# KiCad board FrontEnd_5G.kicad_pcb (continued)
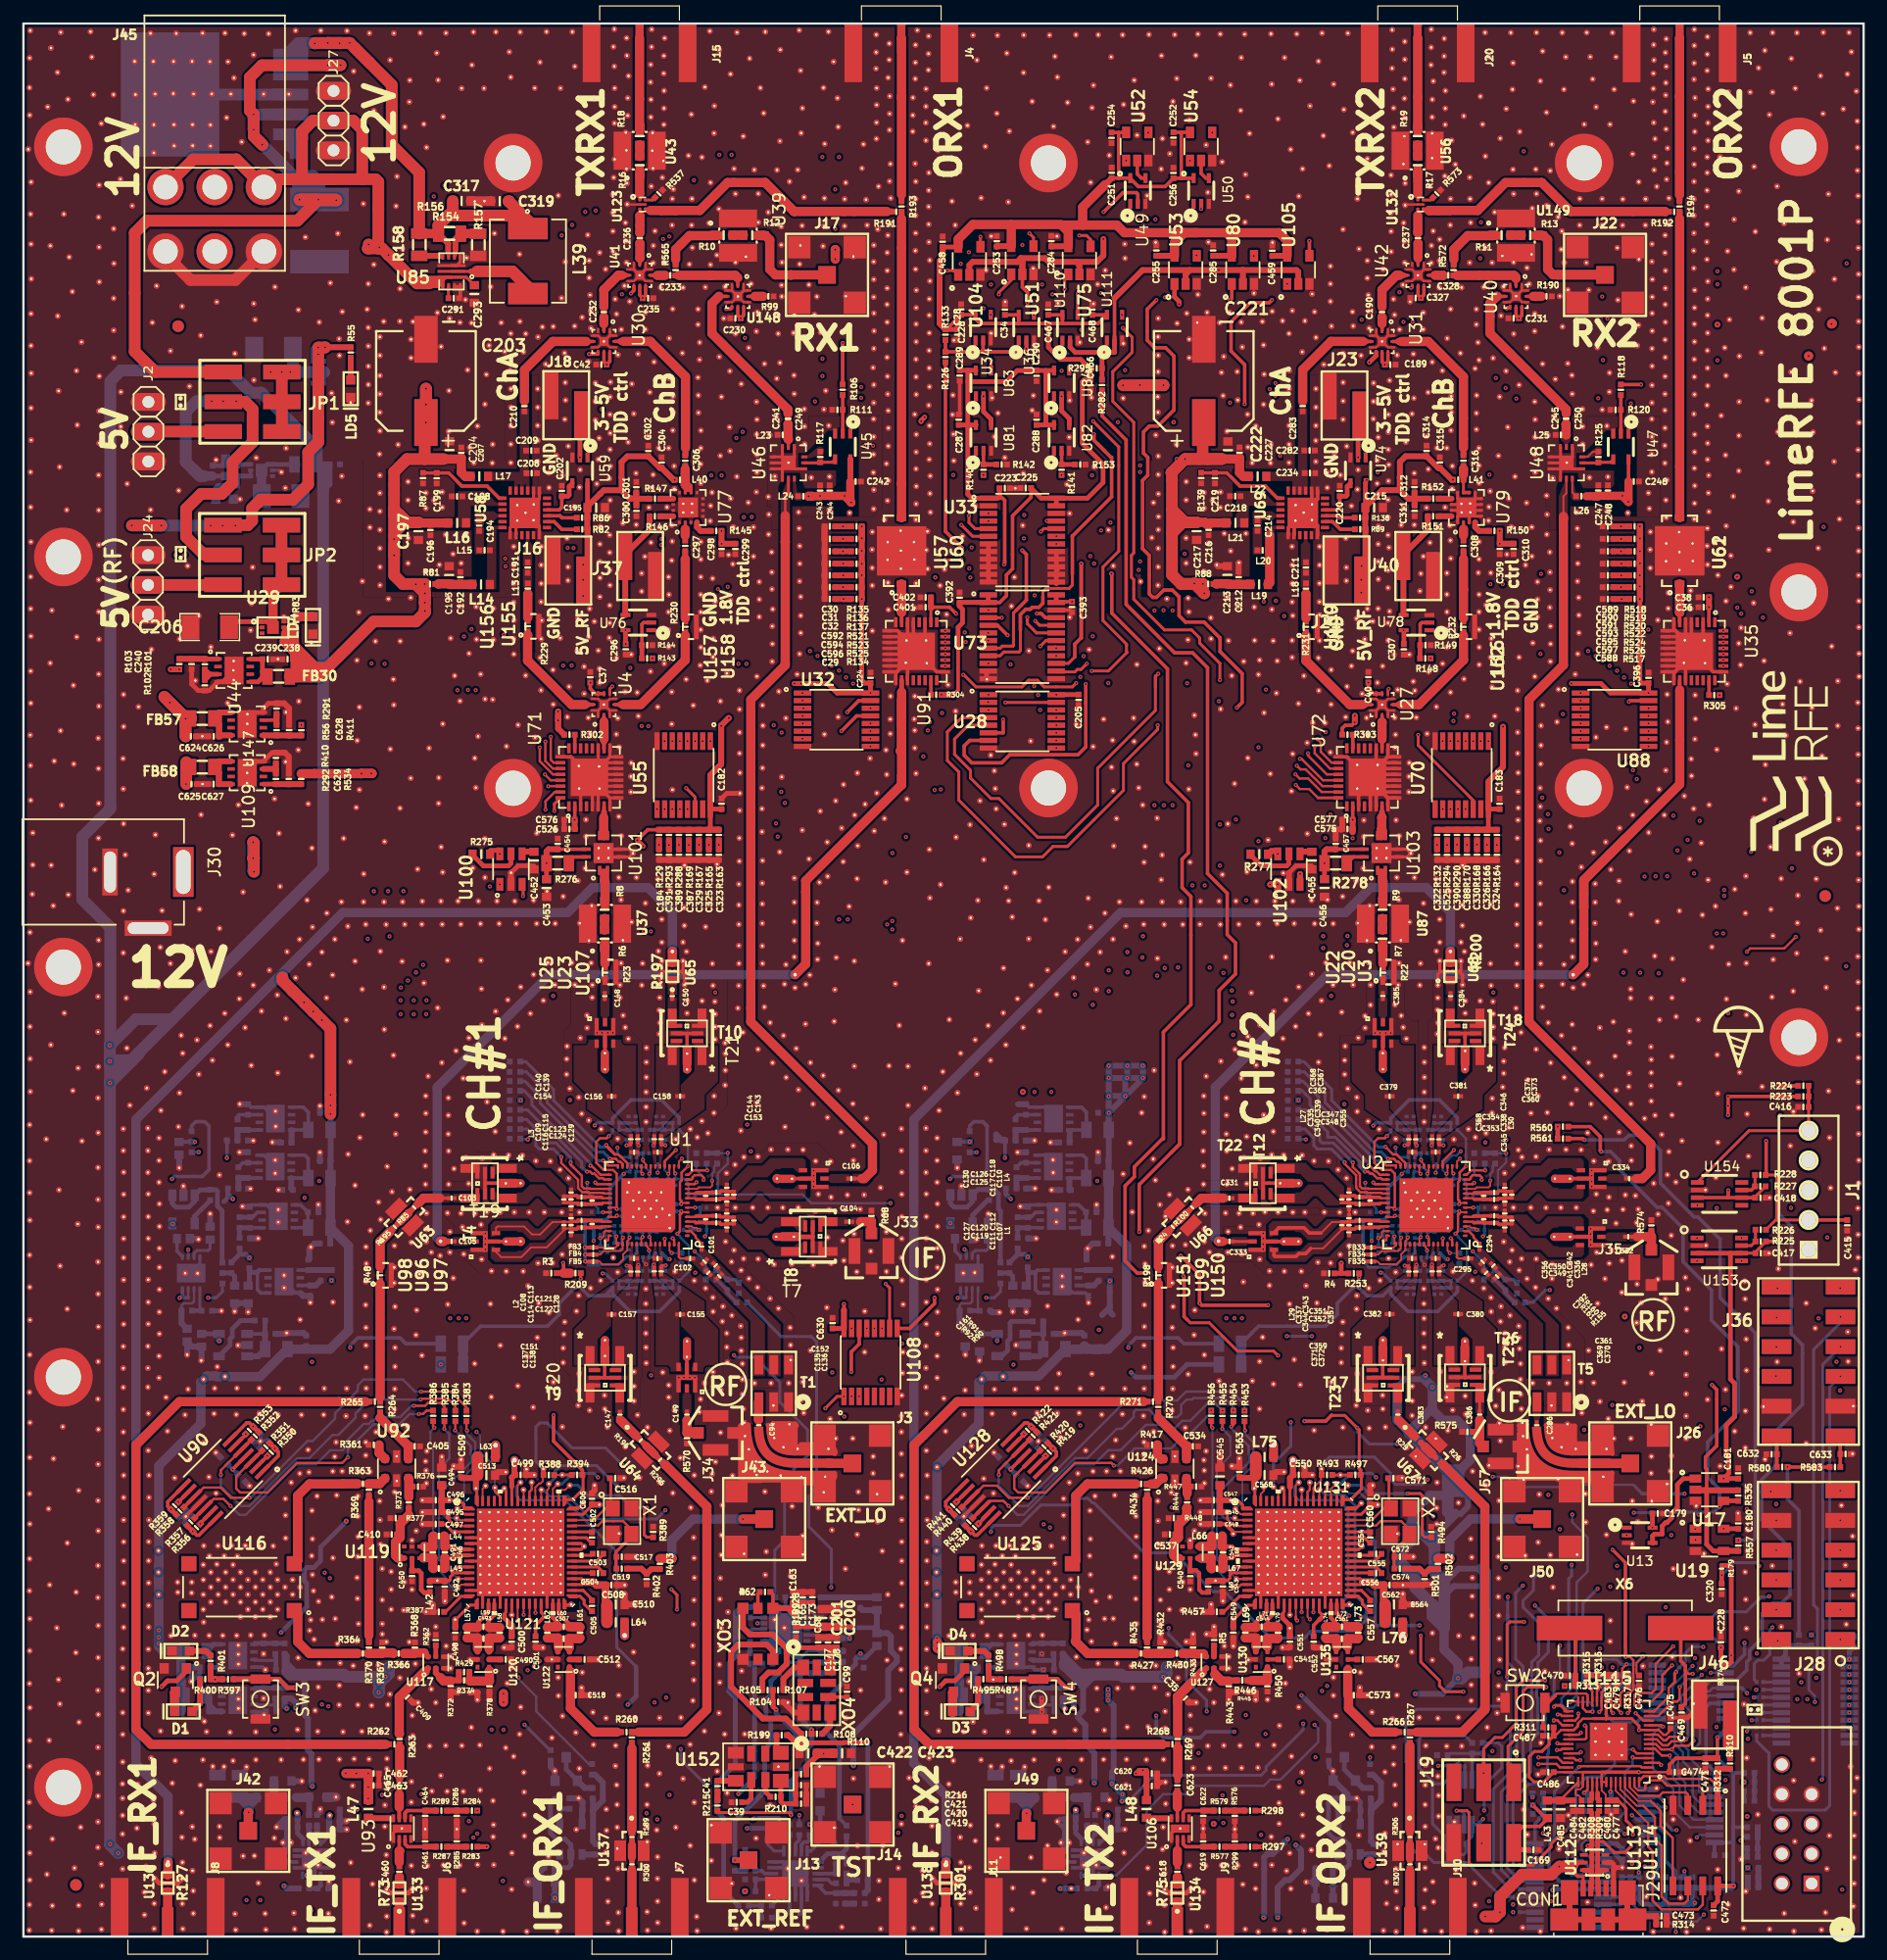
[diagram p0: board, top side]
## Nets (continued)
Ref**#1135. Ref**#1136. Ref**#1137. Ref**#1138. Ref**#1139. Ref**#1140. Ref**#1141. Ref**#1142. Ref**#1143. Ref**#1144. Ref**#1145. Ref**#1146. Ref**#1147. Ref**#1148. Ref**#1149. Ref**#1150. Ref**#1151. Ref**#1152. Ref**#1153. Ref**#1154. Ref**#1155. Ref**#1156. Ref**#1157. Ref**#1158. Ref**#1159. Ref**#1160. Ref**#1161. Ref**#1162. Ref**#1163. Ref**#1164. Ref**#1165. Ref**#1166. Ref**#1167. Ref**#1168. Ref**#1169. Ref**#1170. Ref**#1171. Ref**#1172. Ref**#1173. Ref**#1174. Ref**#1175. Ref**#1176. Ref**#1177. Ref**#1178. Ref**#1179. Ref**#1180. Ref**#1181. Ref**#1182. Ref**#1183. Ref**#1184. Ref**#1185. Ref**#1186. Ref**#1189. Ref**#1190. Ref**#1191. Ref**#1192. Ref**#1193. Ref**#1194. Ref**#1195. Ref**#1196. Ref**#1197. Ref**#1198. Ref**#1199. Ref**#1200. Ref**#1201. Ref**#1208. Ref**#1209. Ref**#1210. Ref**#1211. Ref**#1212. Ref**#1213. Ref**#1214. Ref**#1215. Ref**#1216. Ref**#1217. Ref**#1218. Ref**#1219. Ref**#1220. Ref**#1221. Ref**#1222. Ref**#1223. Ref**#1224. Ref**#1225. Ref**#1226. Ref**#1227. Ref**#1228. Ref**#1229. Ref**#1230. Ref**#1231. Ref**#1235. Ref**#1236. Ref**#1237. Ref**#1238. Ref**#1239. Ref**#1240. Ref**#1241. Ref**#1242. Ref**#1243. Ref**#1244. Ref**#1245. Ref**#1246. Ref**#1247. Ref**#1248. Ref**#1249. Ref**#1250. Ref**#1251. Ref**#1252. Ref**#1253. Ref**#1254. Ref**#1255. Ref**#1256. Ref**#1257. Ref**#1258. Ref**#1259. Ref**#1260. Ref**#1261. Ref**#1262. Ref**#1263. Ref**#1264. Ref**#1265. Ref**#1266. Ref**#1267. Ref**#1268. Ref**#1269. Ref**#1270. Ref**#1271. Ref**#1272. Ref**#1273. Ref**#1274. Ref**#1275. Ref**#1276. Ref**#1277. Ref**#1278. Ref**#1279. Ref**#1280. Ref**#1281. Ref**#1282. Ref**#1283. Ref**#1284. Ref**#1285. Ref**#1286. Ref**#1287. Ref**#1288. Ref**#1289. Ref**#1290. Ref**#1291. Ref**#1292. Ref**#1293. Ref**#1294. Ref**#1295. Ref**#1296. Ref**#1297. Ref**#1298. Ref**#1299. Ref**#1300. Ref**#1301. Ref**#1302. Ref**#1303. Ref**#1304. Ref**#1305. Ref**#1306. Ref**#1307. Ref**#1308. Ref**#1309. Ref**#1310. Ref**#1311. Ref**#1312. Ref**#1313. Ref**#1314. Ref**#1315. Ref**#1316. Ref**#1317. Ref**#1318. Ref**#1319. Ref**#1320. Ref**#1321. Ref**#1322. Ref**#1323. Ref**#1324. Ref**#1325. Ref**#1326. Ref**#1327. Ref**#1328. Ref**#1329. Ref**#1330. Ref**#1331. Ref**#1332. Ref**#1333. Ref**#1334. Ref**#1335. Ref**#1336. Ref**#1337. Ref**#1338. Ref**#1339. Ref**#1340. Ref**#1341. Ref**#1342. Ref**#1343. Ref**#1344. Ref**#1345. Ref**#1346. Ref**#1347. Ref**#1348. Ref**#1349. Ref**#1350. Ref**#1351. Ref**#1352. Ref**#1353. Ref**#1354. Ref**#1355. Ref**#1356. Ref**#1357. Ref**#1358. Ref**#1359. Ref**#1360. Ref**#1361. Ref**#1362. Ref**#1363. Ref**#1364. Ref**#1365. Ref**#1366. Ref**#1367. Ref**#1368. Ref**#1369. Ref**#1370. Ref**#1371. Ref**#1372. Ref**#1373. Ref**#1374. Ref**#1375. Ref**#1376. Ref**#1377. Ref**#1378. Ref**#1379. Ref**#1380. Ref**#1381. Ref**#1382. Ref**#1383. Ref**#1384. Ref**#1385. Ref**#1386. Ref**#1387. Ref**#1388. Ref**#1389. Ref**#1390. Ref**#1391. Ref**#1392. Ref**#1393. Ref**#1394. Ref**#1395. Ref**#1396. Ref**#1397. Ref**#1398. Ref**#1399. Ref**#1400. Ref**#1401. Ref**#1402. Ref**#1403. Ref**#1404. Ref**#1405. Ref**#1406. Ref**#1407. Ref**#1408. Ref**#1409. Ref**#1410. Ref**#1411. Ref**#1412. Ref**#1413. Ref**#1414. Ref**#1415. Ref**#1416. Ref**#1417. Ref**#1419. Ref**#1420. Ref**#1421. Ref**#1422. Ref**#1423. Ref**#1424. Ref**#1425. Ref**#1426. Ref**#1427. Ref**#1428. Ref**#1429. Ref**#1430. Ref**#1431. Ref**#1432. Ref**#1433. Ref**#1434. Ref**#1435. Ref**#1436. Ref**#1437. Ref**#1438. Ref**#1439. Ref**#1440. Ref**#1441. Ref**#1442. Ref**#1443. Ref**#1444. Ref**#1445. Ref**#1446. Ref**#1447. Ref**#1448. Ref**#1449. Ref**#1450. Ref**#1451. Ref**#1452. Ref**#1453. Ref**#1454. Ref**#1455. Ref**#1456. Ref**#1457. Ref**#1458. Ref**#1459. Ref**#1460. Ref**#1461. Ref**#1462. Ref**#1463. Ref**#1464. Ref**#1465. Ref**#1466. Ref**#1467. Ref**#1468. Ref**#1469. Ref**#1470. Ref**#1471. Ref**#1472. Ref**#1473. Ref**#1474. Ref**#1475. Ref**#1476. Ref**#1477. Ref**#1478. Ref**#1479. Ref**#1480. Ref**#1481. Ref**#1482. Ref**#1483. Ref**#1484. Ref**#1485. Ref**#1486. Ref**#1487. Ref**#1488. Ref**#1489. Ref**#1490. Ref**#1491. Ref**#1492. Ref**#1493. Ref**#1494. Ref**#1495. Ref**#1496. Ref**#1497. Ref**#1498. Ref**#1499. Ref**#1500. Ref**#1501. Ref**#1502. Ref**#1503. Ref**#1504. Ref**#1505. Ref**#1506. Ref**#1507. Ref**#1508. Ref**#1509. Ref**#1510. Ref**#1511. Ref**#1512. Ref**#1515. Ref**#1516. Ref**#1517. Ref**#1518. Ref**#1519. Ref**#1520. Ref**#1521. Ref**#1522. Ref**#1523. Ref**#1524. Ref**#1525. Ref**#1526. Ref**#1527. Ref**#1528. Ref**#1529. Ref**#1530. Ref**#1531. Ref**#1532. Ref**#1533. Ref**#1534. Ref**#1535. Ref**#1536. Ref**#1537. Ref**#1538. Ref**#1539. Ref**#1540. Ref**#1541. Ref**#1542. Ref**#1543. Ref**#1544. Ref**#1545. Ref**#1546. Ref**#1547. Ref**#1548. Ref**#1549. Ref**#1550. Ref**#1551. Ref**#1552. Ref**#1553. Ref**#1554. Ref**#1555. Ref**#1556. Ref**#1557. Ref**#1558. Ref**#1559. Ref**#1560. Ref**#1561. Ref**#1562. Ref**#1563. Ref**#1564. Ref**#1565. Ref**#1566. Ref**#1567. Ref**#1568. Ref**#1569. Ref**#1570. Ref**#1571. Ref**#1572. Ref**#1573. Ref**#1574. Ref**#1575. Ref**#1576. Ref**#1577. Ref**#1578. Ref**#1579. Ref**#1580. Ref**#1581. Ref**#1582. Ref**#1583. Ref**#1584. Ref**#1585. Ref**#1586. Ref**#1587. Ref**#1588. Ref**#1589. Ref**#1590. Ref**#1591. Ref**#1592. Ref**#1593. Ref**#1594. Ref**#1595. Ref**#1596. Ref**#1597. Ref**#1598. Ref**#1599. Ref**#1600. Ref**#1601. Ref**#1602. Ref**#1603. Ref**#1604. Ref**#1605. Ref**#1606. Ref**#1607. Ref**#1608. Ref**#1609. Ref**#1610. Ref**#1611. Ref**#1612. Ref**#1613. Ref**#1614. Ref**#1615. Ref**#1616. Ref**#1617. Ref**#1618. Ref**#1619. Ref**#1620. Ref**#1621. Ref**#1622. Ref**#1623. Ref**#1624. Ref**#1625. Ref**#1626. Ref**#1627. Ref**#1628. Ref**#1631. Ref**#1632. Ref**#1633. Ref**#1634. Ref**#1635. Ref**#1636. Ref**#1637. Ref**#1638. Ref**#1641. Ref**#1642. Ref**#1643. Ref**#1644. Ref**#1645. Ref**#1646. Ref**#1648. Ref**#1649. Ref**#1652. Ref**#1653. Ref**#1654. Ref**#1655. Ref**#1656. Ref**#1661. Ref**#1662. Ref**#1663. Ref**#1668. Ref**#1669. Ref**#1670. Ref**#1671. Ref**#1672. Ref**#1683. Ref**#1684. Ref**#1685. Ref**#1686. Ref**#1692. Ref**#1693. Ref**#1694. Ref**#1699. Ref**#1700. Ref**#1701. Ref**#1702. Ref**#1703. Ref**#1713. Ref**#1714. Ref**#1715. Ref**#1716. Ref**#1717. Ref**#1721. Ref**#1722. Ref**#1723. Ref**#1726. Ref**#1736. Ref**#1737. Ref**#1739. Ref**#1740. Ref**#1742. Ref**#1743. Ref**#1744. Ref**#1745. Ref**#1746. Ref**#1747. Ref**#1748. Ref**#1749. Ref**#1750. Ref**#1751. Ref**#1752. Ref**#1753. Ref**#1754. Ref**#1755. Ref**#1756. Ref**#1757. Ref**#1758. Ref**#1759. Ref**#1760. Ref**#1761. Ref**#1762. Ref**#1763. Ref**#1764. Ref**#1765. Ref**#1766. Ref**#1767. Ref**#1768. Ref**#1769. Ref**#1770. Ref**#1771. Ref**#1772. Ref**#1773. Ref**#1774. Ref**#1775. Ref**#1776. Ref**#1777. Ref**#1778. Ref**#1779. Ref**#1780. Ref**#1781. Ref**#1782. Ref**#1783. Ref**#1784. Ref**#1785. Ref**#1786. Ref**#1787. Ref**#1788. Ref**#1789. Ref**#1790. Ref**#1791. Ref**#1792. Ref**#1793. Ref**#1794. Ref**#1795. Ref**#1796. Ref**#1797. Ref**#1798. Ref**#1799. Ref**#1800. Ref**#1801. Ref**#1802. Ref**#1803. Ref**#1804. Ref**#1805. Ref**#1806. Ref**#1807. Ref**#1808. Ref**#1809. Ref**#1810. Ref**#1811. Ref**#1812. Ref**#1813. Ref**#1814. Ref**#1815. Ref**#1816. Ref**#1817. Ref**#1818. Ref**#1819. Ref**#1820. Ref**#1821. Ref**#1822. Ref**#1823. Ref**#1824. Ref**#1825. Ref**#1826. Ref**#1827. Ref**#1828. Ref**#1829. Ref**#1830. Ref**#1831. Ref**#1832. Ref**#1833. Ref**#1834. Ref**#1835. Ref**#1836. Ref**#1837. Ref**#1838. Ref**#1839. Ref**#1840. Ref**#1841. Ref**#1842. Ref**#1843. Ref**#1844. Ref**#1845. Ref**#1846. Ref**#1847. Ref**#1848. Ref**#1849. Ref**#1850. Ref**#1851. Ref**#1852. Ref**#1853. Ref**#1854. Ref**#1855. Ref**#1856. Ref**#1857. Ref**#1858. Ref**#1859. Ref**#1860. Ref**#1861. Ref**#1862. Ref**#1863. Ref**#1864. Ref**#1865. Ref**#1866. Ref**#1867. Ref**#1868. Ref**#1869. Ref**#1870. Ref**#1871. Ref**#1872. Ref**#1873. Ref**#1874. Ref**#1875. Ref**#1876. Ref**#1877. Ref**#1878. Ref**#1879. Ref**#1880. Ref**#1881. Ref**#1882. Ref**#1883. Ref**#1884. Ref**#1885. Ref**#1886. Ref**#1887. Ref**#1888. Ref**#1889. Ref**#1890. Ref**#1891. Ref**#1892. Ref**#1893. Ref**#1894. Ref**#1895. Ref**#1896. Ref**#1897. Ref**#1898. Ref**#1899. Ref**#1900. Ref**#1901. Ref**#1902. Ref**#1903. Ref**#1904. Ref**#1905. Ref**#1906. Ref**#1907. Ref**#1908. Ref**#1909. Ref**#1910. Ref**#1911. Ref**#1912. Ref**#1913. Ref**#1914. Ref**#1915. Ref**#1916. Ref**#1917. Ref**#1918. Ref**#1919. Ref**#1920. Ref**#1921. Ref**#1922. Ref**#1923. Ref**#1924. Ref**#1925. Ref**#1926. Ref**#1927. Ref**#1928. Ref**#1929. Ref**#1930. Ref**#1931. Ref**#1932. Ref**#1933. Ref**#1934. Ref**#1935. Ref**#1936. Ref**#1937. Ref**#1938. Ref**#1939. Ref**#1940. Ref**#1941. Ref**#1942. Ref**#1943. Ref**#1944. Ref**#1945. Ref**#1946. Ref**#1947. Ref**#1948. Ref**#1949. Ref**#1950. Ref**#1951. Ref**#1952. Ref**#1953. Ref**#1954. Ref**#1955. Ref**#1956. Ref**#1957. Ref**#1958. Ref**#1959. Ref**#1960. Ref**#1961. Ref**#1962. Ref**#1963. Ref**#1964. Ref**#1965. Ref**#1966. Ref**#1967. Ref**#1968. Ref**#1969. Ref**#1970. Ref**#1971. Ref**#1972. Ref**#1973. Ref**#1974. Ref**#1975. Ref**#1976. Ref**#1977. Ref**#1978. Ref**#1979. Ref**#1980. Ref**#1981. Ref**#1982. Ref**#1983. Ref**#1984. Ref**#1985. Ref**#1986. Ref**#1987. Ref**#1988. Ref**#1989. Ref**#1990. Ref**#1991. Ref**#1992. Ref**#1993. Ref**#1994. Ref**#1995. Ref**#1996. Ref**#1997. Ref**#1998. Ref**#1999. Ref**#2000. Ref**#2001. Ref**#2002. Ref**#2003. Ref**#2004. Ref**#2005. Ref**#2006. Ref**#2007. Ref**#2008. Ref**#2009. Ref**#2010. Ref**#2011. Ref**#2012. Ref**#2013. Ref**#2014. Ref**#2015. Ref**#2016. Ref**#2017. Ref**#2018. Ref**#2019. Ref**#2020. Ref**#2021. Ref**#2022. Ref**#2023. Ref**#2024. Ref**#2025. Ref**#2026. Ref**#2027. Ref**#2028. Ref**#2029. Ref**#2030. Ref**#2031. Ref**#2032. Ref**#2033. Ref**#2034. Ref**#2035. Ref**#2036. Ref**#2037. Ref**#2038. Ref**#2039. Ref**#2040. Ref**#2041. Ref**#2042. Ref**#2043. Ref**#2044. Ref**#2045. Ref**#2046. Ref**#2047. Ref**#2048. Ref**#2049. Ref**#2050. Ref**#2051. Ref**#2052. Ref**#2053. Ref**#2054. Ref**#2055. Ref**#2056. Ref**#2057. Ref**#2058. Ref**#2059. Ref**#2060. Ref**#2061. Ref**#2062. Ref**#2063. Ref**#2064. Ref**#2065. Ref**#2066. Ref**#2067. Ref**#2068. Ref**#2069. Ref**#2070. Ref**#2071. Ref**#2072. Ref**#2073. Ref**#2074. Ref**#2075. Ref**#2076. Ref**#2077. Ref**#2078. Ref**#2079. Ref**#2080. Ref**#2081. Ref**#2082. Ref**#2083. Ref**#2084. Ref**#2085. Ref**#2086. Ref**#2087. Ref**#2088. Ref**#2089. Ref**#2090. Ref**#2091. Ref**#2092. Ref**#2093. Ref**#2094. Ref**#2095. Ref**#2096. Ref**#2097. Ref**#2098. Ref**#2099. Ref**#2100. Ref**#2101. Ref**#2102. Ref**#2103. Ref**#2104. Ref**#2105. Ref**#2106. Ref**#2107. Ref**#2108. Ref**#2109. Ref**#2110. Ref**#2111. Ref**#2112. Ref**#2113. Ref**#2114. Ref**#2115. Ref**#2116. Ref**#2117. Ref**#2118. Ref**#2119. Ref**#2120. Ref**#2121. Ref**#2122. Ref**#2123. Ref**#2124. Ref**#2125. Ref**#2126. Ref**#2127. Ref**#2128. Ref**#2129. Ref**#2130. Ref**#2131. Ref**#2132. Ref**#2134. Ref**#2135. Ref**#2136. Ref**#2137. Ref**#2138. Ref**#2139. Ref**#2140. Ref**#2141. Ref**#2143. Ref**#2144. Ref**#2145. Ref**#2146. Ref**#2147. Ref**#2148. Ref**#2149. Ref**#2150. Ref**#2151. Ref**#2152. Ref**#2153. Ref**#2154. Ref**#2155. Ref**#2156. Ref**#2157. Ref**#2158. Ref**#2159. Ref**#2160. Ref**#2161. Ref**#2162. Ref**#2163. Ref**#2164. Ref**#2165. Ref**#2166. Ref**#2167. Ref**#2168. Ref**#2169. Ref**#2170. Ref**#2171. Ref**#2172. Ref**#2173. Ref**#2174. Ref**#2175. Ref**#2176. Ref**#2177. Ref**#2178. Ref**#2179. Ref**#2180. Ref**#2181. Ref**#2182. Ref**#2183. Ref**#2184. Ref**#2185. Ref**#2186. Ref**#2187. Ref**#2188. Ref**#2189. Ref**#2190. Ref**#2191. Ref**#2192. Ref**#2193. Ref**#2194. Ref**#2195. Ref**#2196. Ref**#2197. Ref**#2198. Ref**#2199. Ref**#2200. Ref**#2201. Ref**#2202. Ref**#2203. Ref**#2204. Ref**#2205. Ref**#2206. Ref**#2207. Ref**#2208. Ref**#2209. Ref**#2210. Ref**#2211. Ref**#2212. Ref**#2213. Ref**#2214. Ref**#2215. Ref**#2216. Ref**#2217. Ref**#2218. Ref**#2219. Ref**#2220. Ref**#2221. Ref**#2222. Ref**#2223. Ref**#2224. Ref**#2225. Ref**#2226. Ref**#2227. Ref**#2228. Ref**#2229. Ref**#2230. Ref**#2231. Ref**#2232. Ref**#2233. Ref**#2234. Ref**#2235. Ref**#2236. Ref**#2237. Ref**#2238. Ref**#2239. Ref**#2240. Ref**#2241. Ref**#2242. Ref**#2243. Ref**#2244. Ref**#2245. Ref**#2246. Ref**#2247. Ref**#2248. Ref**#2249. Ref**#2250. Ref**#2251. Ref**#2252. Ref**#2253. Ref**#2254. Ref**#2255. Ref**#2256. Ref**#2257. Ref**#2258. Ref**#2259. Ref**#2260. Ref**#2261. Ref**#2262. Ref**#2263. Ref**#2264. Ref**#2265. Ref**#2266. Ref**#2267. Ref**#2268. Ref**#2269. Ref**#2270. Ref**#2271. Ref**#2272. Ref**#2273. Ref**#2274. Ref**#2275. Ref**#2276. Ref**#2277. Ref**#2278. Ref**#2279. Ref**#2280. Ref**#2281. Ref**#2282. Ref**#2283. Ref**#2285. Ref**#2286. Ref**#2287. Ref**#2288. Ref**#2289. Ref**#2290. Ref**#2292. Ref**#2293. Ref**#2294. Ref**#2295. Ref**#2296. Ref**#2297. Ref**#2298. Ref**#2299. Ref**#2300. Ref**#2301. Ref**#2302. Ref**#2303. Ref**#2304. Ref**#2305. Ref**#2306. Ref**#2307. Ref**#2308. Ref**#2309. Ref**#2310. Ref**#2311. Ref**#2312. Ref**#2313. Ref**#2314. Ref**#2315. Ref**#2316. Ref**#2317. Ref**#2318. Ref**#2319. Ref**#2320. Ref**#2321. Ref**#2322. Ref**#2323. Ref**#2324. Ref**#2325. Ref**#2326. Ref**#2327. Ref**#2328. Ref**#2329. Ref**#2330. Ref**#2331. Ref**#2332. Ref**#2333. Ref**#2334. Ref**#2335. Ref**#2336. Ref**#2337. Ref**#2338. Ref**#2339. Ref**#2340. Ref**#2341. Ref**#2342. Ref**#2343. Ref**#2344. Ref**#2345. Ref**#2346. Ref**#2347. Ref**#2348. Ref**#2349. Ref**#2350. Ref**#2351. Ref**#2352. Ref**#2353. Ref**#2354. Ref**#2355. Ref**#2356. Ref**#2357. Ref**#2358. Ref**#2359. Ref**#2360. Ref**#2361. Ref**#2362. Ref**#2363. Ref**#2364. Ref**#2365. Ref**#2366. Ref**#2367. Ref**#2368. Ref**#2369. Ref**#2370. Ref**#2371. Ref**#2372. Ref**#2373. Ref**#2374. Ref**#2375. Ref**#2376. Ref**#2377. Ref**#2378. Ref**#2379. Ref**#2380. Ref**#2381. Ref**#2382. Ref**#2383. Ref**#2384. Ref**#2385. Ref**#2386. Ref**#2387. Ref**#2388. Ref**#2389. Ref**#2390. Ref**#2391. Ref**#2392. Ref**#2393. Ref**#2394. Ref**#2395. Ref**#2396. Ref**#2397. Ref**#2398. Ref**#2399. Ref**#2400. Ref**#2401. Ref**#2402. Ref**#2403. Ref**#2404. Ref**#2405. Ref**#2406. Ref**#2407. Ref**#2408. Ref**#2409. Ref**#2410. Ref**#2411. Ref**#2412. Ref**#2413. Ref**#2414. Ref**#2415. Ref**#2416. Ref**#2417. Ref**#2418. Ref**#2419. Ref**#2420. Ref**#2421. Ref**#2422. Ref**#2423. Ref**#2424. Ref**#2425. Ref**#2426. Ref**#2427. Ref**#2428. Ref**#2429. Ref**#2430. Ref**#2431. Ref**#2432. Ref**#2433. Ref**#2434. Ref**#2435. Ref**#2436. Ref**#2437. Ref**#2438. Ref**#2439. Ref**#2440. Ref**#2441. Ref**#2442. Ref**#2443. Ref**#2444. Ref**#2445. Ref**#2446. Ref**#2447. Ref**#2448. Ref**#2449. Ref**#2450. Ref**#2451. Ref**#2452. Ref**#2453. Ref**#2454. Ref**#2455. Ref**#2456. Ref**#2457. Ref**#2458. Ref**#2459. Ref**#2460. Ref**#2461. Ref**#2462. Ref**#2463. Ref**#2464. Ref**#2465. Ref**#2466. Ref**#2467. Ref**#2468. Ref**#2469. Ref**#2470. Ref**#2471. Ref**#2472. Ref**#2473. Ref**#2474. Ref**#2475. Ref**#2476. Ref**#2477. Ref**#2478. Ref**#2479. Ref**#2480. Ref**#2481. Ref**#2482. Ref**#2483. Ref**#2484. Ref**#2485. Ref**#2486. Ref**#2487. Ref**#2488. Ref**#2489. Ref**#2490. Ref**#2491. Ref**#2492. Ref**#2493. Ref**#2494. Ref**#2495. Ref**#2496. Ref**#2497. Ref**#2498. Ref**#2499. Ref**#2500. Ref**#2501. Ref**#2502. Ref**#2503. Ref**#2504. Ref**#2505. Ref**#2506. Ref**#2507. Ref**#2508. Ref**#2509. Ref**#2510. Ref**#2511. Ref**#2512. Ref**#2513. Ref**#2514. Ref**#2515. Ref**#2516. Ref**#2517. Ref**#2518. Ref**#2519. Ref**#2520. Ref**#2521. Ref**#2522. Ref**#2523. Ref**#2524. Ref**#2525. Ref**#2526. Ref**#2527. Ref**#2528. Ref**#2529. Ref**#2530. Ref**#2531. Ref**#2532. Ref**#2533. Ref**#2534. Ref**#2535. Ref**#2536. Ref**#2537. Ref**#2538. Ref**#2539. Ref**#2540. Ref**#2541. Ref**#2542. Ref**#2543. Ref**#2544. Ref**#2545. Ref**#2546. Ref**#2547. Ref**#2548. Ref**#2549. Ref**#2550. Ref**#2551. Ref**#2552. Ref**#2553. Ref**#2554. Ref**#2555. Ref**#2556. Ref**#2557. Ref**#2558. Ref**#2559. Ref**#2560. Ref**#2561. Ref**#2562. Ref**#2563. Ref**#2564. Ref**#2565. Ref**#2566. Ref**#2567. Ref**#2568. Ref**#2569. Ref**#2570. Ref**#2571. Ref**#2572. Ref**#2573. Ref**#2574. Ref**#2575. Ref**#2576. Ref**#2577. Ref**#2578. Ref**#2579. Ref**#2580. Ref**#2581. Ref**#2582. Ref**#2583. Ref**#2584. Ref**#2585. Ref**#2586. Ref**#2587. Ref**#2588. Ref**#2589. Ref**#2590. Ref**#2591. Ref**#2592. Ref**#2593. Ref**#2594. Ref**#2595. Ref**#2596. Ref**#2597. Ref**#2598. Ref**#2599. Ref**#2600. Ref**#2601. Ref**#2602. Ref**#2603. Ref**#2604. Ref**#2605. Ref**#2606. Ref**#2607. Ref**#2608. Ref**#2609. Ref**#2610. Ref**#2611. Ref**#2612. Ref**#2613. Ref**#2614. Ref**#2615. Ref**#2616. Ref**#2617. Ref**#2618. Ref**#2619. Ref**#2620. Ref**#2621. Ref**#2622. Ref**#2623. Ref**#2624. Ref**#2625. Ref**#2626. Ref**#2627. Ref**#2628. Ref**#2629. Ref**#2630. Ref**#2631. Ref**#2632. Ref**#2633. Ref**#2634. Ref**#2635. Ref**#2636. Ref**#2637. Ref**#2638. Ref**#2639. Ref**#2640. Ref**#2641. Ref**#2642. Ref**#2643. Ref**#2644. Ref**#2645. Ref**#2646. Ref**#2647. Ref**#2648. Ref**#2649. Ref**#2650. Ref**#2651. Ref**#2652. Ref**#2653. Ref**#2654. Ref**#2655. Ref**#2656. Ref**#2657. Ref**#2658. Ref**#2659. Ref**#2660. Ref**#2661. Ref**#2662. Ref**#2663. Ref**#2664. Ref**#2665. Ref**#2666. Ref**#2667. Ref**#2668. Ref**#2669. Ref**#2670. Ref**#2671. Ref**#2672. Ref**#2673. Ref**#2674. Ref**#2675. Ref**#2676. Ref**#2677. Ref**#2678. Ref**#2679. Ref**#2680. Ref**#2681. Ref**#2682. Ref**#2683. Ref**#2684. Ref**#2685. Ref**#2686. Ref**#2687. Ref**#2688. Ref**#2689. Ref**#2690. Ref**#2691. Ref**#2692. Ref**#2693. Ref**#2694. Ref**#2695. Ref**#2696. Ref**#2697. Ref**#2698. Ref**#2699. Ref**#2700. Ref**#2701. Ref**#2702. Ref**#2703. Ref**#2704. Ref**#2705. Ref**#2706. Ref**#2707. Ref**#2708. Ref**#2709. Ref**#2710. Ref**#2711. Ref**#2712. Ref**#2713. Ref**#2714. Ref**#2715. Ref**#2716. Ref**#2717. Ref**#2718. Ref**#2719. Ref**#2720. Ref**#2721. Ref**#2722. Ref**#2723. Ref**#2724. Ref**#2725. Ref**#2726. Ref**#2727. Ref**#2728. Ref**#2729. Ref**#2730. Ref**#2731. Ref**#2732. Ref**#2733. Ref**#2734. Ref**#2735. Ref**#2736. Ref**#2737. Ref**#2738. Ref**#2739. Ref**#2740. Ref**#2741. Ref**#2742. Ref**#2743. Ref**#2744. Ref**#2745. Ref**#2746. Ref**#2747. Ref**#2748. Ref**#2749. Ref**#2750. Ref**#2751. Ref**#2752. Ref**#2753. Ref**#2754. Ref**#2755. Ref**#2756. Ref**#2757. Ref**#2758. Ref**#2759. Ref**#2760. Ref**#2761. Ref**#2762. Ref**#2763. Ref**#2764. Ref**#2765. Ref**#2766. Ref**#2767. Ref**#2768. Ref**#2769. Ref**#2770. Ref**#2771. Ref**#2772. Ref**#2773. Ref**#2774. Ref**#2775. Ref**#2776. Ref**#2777. Ref**#2778. Ref**#2779. Ref**#2780. Ref**#2781. Ref**#2782. Ref**#2783. Ref**#2784. Ref**#2785. Ref**#2786. Ref**#2787. Ref**#2788. Ref**#2789. Ref**#2790. Ref**#2791. Ref**#2792. Ref**#2793. Ref**#2794. Ref**#2795. Ref**#2796. Ref**#2797. Ref**#2798. Ref**#2799. Ref**#2800. Ref**#2801. Ref**#2802. Ref**#2803. Ref**#2804. Ref**#2805. Ref**#2806. Ref**#2807. Ref**#2808. Ref**#2809. Ref**#2810. Ref**#2811. Ref**#2812. Ref**#2813. Ref**#2814. Ref**#2815. Ref**#2816. Ref**#2817. Ref**#2818. Ref**#2819. Ref**#2820. Ref**#2821. Ref**#2822. Ref**#2823. Ref**#2824. Ref**#2825. Ref**#2826. Ref**#2827. Ref**#2828. Ref**#2829. Ref**#2830. Ref**#2831. Ref**#2832. Ref**#2833. Ref**#2834. Ref**#2835. Ref**#2836. Ref**#2837. Ref**#2838. Ref**#2839. Ref**#2840. Ref**#2841. Ref**#2842. Ref**#2843. Ref**#2844. Ref**#2845. Ref**#2846. Ref**#2847. Ref**#2848. Ref**#2849. Ref**#2850. Ref**#2851. Ref**#2852. Ref**#2853. Ref**#2854. Ref**#2855. Ref**#2856. Ref**#2857. Ref**#2858. Ref**#2859. Ref**#2860. Ref**#2861. Ref**#2862. Ref**#2863. Ref**#2864. Ref**#2865. Ref**#2866. Ref**#2867. Ref**#2868. Ref**#2869. Ref**#2870. Ref**#2871. Ref**#2872. Ref**#2873. Ref**#2874. Ref**#2875. Ref**#2876. Ref**#2877. Ref**#2878. Ref**#2879. Ref**#2880. Ref**#2881. Ref**#2882. Ref**#2883. Ref**#2884. Ref**#2885. Ref**#2886. Ref**#2887. Ref**#2888. Ref**#2889. Ref**#2890. Ref**#2891. Ref**#2892. Ref**#2893. Ref**#2894. Ref**#2895. Ref**#2896. Ref**#2897. Ref**#2898. Ref**#2899. Ref**#2900. Ref**#2901. Ref**#2902. Ref**#2903. Ref**#2904. Ref**#2905. Ref**#2906. Ref**#2907. Ref**#2908. Ref**#2909. Ref**#2910. Ref**#2911. Ref**#2912. Ref**#2913. Ref**#2914. Ref**#2915. Ref**#2916. Ref**#2917. Ref**#2918. Ref**#2919. Ref**#2920. Ref**#2921. Ref**#2922. Ref**#2923. Ref**#2924. Ref**#2925. Ref**#2926. Ref**#2927. Ref**#2928. Ref**#2929. Ref**#2930. Ref**#2931. Ref**#2932. Ref**#2933. Ref**#2934. Ref**#2935. Ref**#2936. Ref**#2937. Ref**#2938. Ref**#2939. Ref**#2940. Ref**#2941. Ref**#2942. Ref**#2943. Ref**#2944. Ref**#2945. Ref**#2946. Ref**#2947. Ref**#2948. Ref**#2949. Ref**#2950. Ref**#2951. Ref**#2952. Ref**#2953. Ref**#2954. Ref**#2955. Ref**#2956. Ref**#2957. Ref**#2958. Ref**#2959. Ref**#2960. Ref**#2961. Ref**#2962. Ref**#2963. Ref**#2964. Ref**#2965. Ref**#2966. Ref**#2967. Ref**#2968. Ref**#2969. Ref**#2970. Ref**#2971. Ref**#2972. Ref**#2973. Ref**#2974. Ref**#2975. Ref**#2976. Ref**#2977. Ref**#2978. Ref**#2979. Ref**#2980. Ref**#2981. Ref**#2982. Ref**#2983. Ref**#2984. Ref**#2985. Ref**#2986. Ref**#2987. Ref**#2988. Ref**#2989. Ref**#2990. Ref**#2991. Ref**#2992. Ref**#2993. Ref**#2994. Ref**#2995. Ref**#2996. Ref**#2997. Ref**#2998. Ref**#2999. Ref**#3000. Ref**#3001. Ref**#3002. Ref**#3003. Ref**#3004. Ref**#3005. Ref**#3006. Ref**#3007. Ref**#3008. Ref**#3009. Ref**#3010. Ref**#3011. Ref**#3012. Ref**#3013. Ref**#3014. Ref**#3015. Ref**#3016. Ref**#3017. Ref**#3018. Ref**#3019. Ref**#3020. Ref**#3021. Ref**#3022. Ref**#3023. Ref**#3024. Ref**#3025. Ref**#3026. Ref**#3027. Ref**#3028. Ref**#3029. Ref**#3030. Ref**#3031. Ref**#3032. Ref**#3033. Ref**#3034. Ref**#3035. Ref**#3036. Ref**#3037. Ref**#3038. Ref**#3039. Ref**#3040. Ref**#3041. Ref**#3042. Ref**#3043. Ref**#3044. Ref**#3045. Ref**#3046. Ref**#3047. Ref**#3048. Ref**#3049. Ref**#3050. Ref**#3051. Ref**#3052. Ref**#3053. Ref**#3054. Ref**#3055. Ref**#3056. Ref**#3057. Ref**#3058. Ref**#3059. Ref**#3060. Ref**#3061. Ref**#3062. Ref**#3063. Ref**#3064. Ref**#3065. Ref**#3066. Ref**#3067. Ref**#3068. Ref**#3069. Ref**#3070. Ref**#3071. Ref**#3072. Ref**#3073. Ref**#3074. Ref**#3075. Ref**#3076. Ref**#3077. Ref**#3078. Ref**#3079. Ref**#3080. Ref**#3081. Ref**#3082. Ref**#3083. Ref**#3084. Ref**#3085. Ref**#3086. Ref**#3087. Ref**#3088. Ref**#3089. Ref**#3090. Ref**#3091. Ref**#3092. Ref**#3093. Ref**#3094. Ref**#3095. Ref**#3096. Ref**#3097. Ref**#3098. Ref**#3099. Ref**#3100. Ref**#3101. Ref**#3102. Ref**#3103. Ref**#3104. Ref**#3105. Ref**#3106. Ref**#3107. Ref**#3108. Ref**#3109. Ref**#3110. Ref**#3111. Ref**#3112. Ref**#3113. Ref**#3114. Ref**#3115. Ref**#3116. Ref**#3117. Ref**#3118. Ref**#3119. Ref**#3120. Ref**#3121. Ref**#3122. Ref**#3123. Ref**#3125. Ref**#3126. Ref**#3127. Ref**#3128. Ref**#3129. Ref**#3130. Ref**#3131. Ref**#3134. Ref**#3135. Ref**#3136. Ref**#3137. Ref**#3138. Ref**#3139. Ref**#3140. Ref**#3141. Ref**#3142. Ref**#3143. Ref**#3144. Ref**#3145. Ref**#3146. Ref**#3147. Ref**#3148. Ref**#3149. Ref**#3150. Ref**#3151. Ref**#3152. Ref**#3153. Ref**#3154. Ref**#3155. Ref**#3156. Ref**#3157. Ref**#3158. Ref**#3159. Ref**#3160. Ref**#3161. Ref**#3162. Ref**#3163. Ref**#3164. Ref**#3165. Ref**#3168. Ref**#3169. Ref**#3170. Ref**#3171. Ref**#3172. SW2.1 SW3.1 SW4.1 T1.1 T1.2 T1.6 T2.1 T2.3 T2.5 T3.1 T3.3 T3.5 T4.2 T4.6 T5.1 T5.2 T5.6 T6.1 T6.3 T6.5 T7.2 T7.5 T7.6 T8.2 T8.6 T9.2 T9.6 T10.2 T10.6 T11.1 T11.3 T11.5 T12.2 T12.6 T13.1 T13.3 T13.5 T14.1 T14.3 T14.5 T15.1 T15.3 T15.5 T16.1 T16.3 T16.5 T17.2 T17.6 T18.2 T18.6 T19.2 T19.5 T19.6 T20.2 T20.5 T20.6 T21.2 T21.5 T21.6 T22.2 T22.5 T22.6 T23.2 T23.5 T23.6 T24.2 T24.5 T24.6 T25.2 T25.5 T25.6 T26.2 T26.6 U1.PAD U2.PAD U3.3 U4.1 U4.3 U4.4 U4.6 U4.10 U4.12 U4.13 U5.4 U5.9 U6.4 U6.9 U7.4 U7.9 U8.4 U8.9 U9.2 U10.4 U10.PAD U11.8 U12.8 U13.3 U14.2 U14.6 U15.2 U15.6 U16.2 U17.3 U18.1 U18.2 U18.3 U18.9 U18.10 U18.21 U19.3 U20.3 U21.1 U21.2 U21.6 U21.7 U21.11 U21.12 U21.20 U21.21 U22.3 U23.3 U24.2 U24.10 U24.11 U24.12 U24.13 U24.14 U24.22 U25.3 U26.4 U26.9 U27.1 U27.3 U27.4 U27.6 U27.10 U27.12 U27.13 U28.8 U29.2 U29.6 U30.1 U30.3 U30.4 U30.6 U30.10 U30.12 U30.13 U31.1 U31.3 U31.4 U31.6 U31.10 U31.12 U31.13 U32.8 U33.2 U33.7 U33.8 U33.9 U33.10 U33.11 U33.12 U33.13 U33.14 U33.15 U33.16 U33.17 U33.22 U34.3 U35.3 U35.5 U35.6 U35.8 U35.9 U35.10 U35.11 U35.12 U35.13 U35.14 U35.15 U35.16 U35.17 U35.19 U35.25 U35.33 U36.3 U37.2 U37.4 U38.11 U38.12 U38.13 U38.22 U39.1 U39.3 U39.4 U39.6 U39.10 U39.12 U39.13 U40.1 U40.3 U40.4 U40.6 U40.10 U40.12 U40.13 U41.1 U41.3 U41.4 U41.6 U41.10 U41.12 U41.13 U42.1 U42.3 U42.4 U42.6 U42.10 U42.12 U42.13 U43.2 U43.4 U44.4 U44.9 U45.3 U46.1 U46.3 U46.4 U46.5 U46.6 U46.7 U46.10 U46.13 U47.3 U48.1 U48.3 U48.4 U48.5 U48.6 U48.7 U48.10 U48.13 U49.3 U50.3 U51.3 U52.3 U53.3 U54.3 U55.8 U56.2 U56.4 U57.3 U58.0 U58.1 U58.2 U58.6 U58.13 U58.14 U59.3 U60.3 U61.3 U62.3 U63.2 U63.4 U64.2 U64.4 U65.2 U65.4 U66.2 U66.4 U67.2 U67.4 U68.2 U68.4 U69.0 U69.1 U69.2 U69.6 U69.13 U69.14 U70.8 U71.3 U71.5 U71.6 U71.8 U71.9 U71.10 U71.11 U71.12 U71.13 U71.14 U71.15 U71.16 U71.17 U71.19 U71.25 U71.33 U72.3 U72.5 U72.6 U72.8 U72.9 U72.10 U72.11 U72.12 U72.13 U72.14 U72.15 U72.16 U72.17 U72.19 U72.25 U72.33 U73.11 U73.12 U73.13 U73.22 U74.3 U75.3 U76.3 U77.1 U77.3 U77.5 U77.6 U77.7 U77.8 U77.9 U77.12 U77.14 U77.15 U77.17 U78.3 U79.1 U79.3 U79.5 U79.6 U79.7 U79.8 U79.9 U79.12 U79.14 U79.15 U79.17 U80.3 U81.3 U82.3 U83.3 U84.3 U85.3 U85.4 U85.10 U85.11 U86.3 U87.2 U87.4 U88.8 U89.4 U89.9 U90.11 U91.3 U91.5 U91.6 U91.8 U91.9 U91.10 U91.11 U91.12 U91.13 U91.14 U91.15 U91.16 U91.17 U91.19 U91.25 U91.33 U92.2 U92.5 U93.1 U93.9 U94.4 U94.9 U95.4 U95.9 U96.3 U97.3 U98.3 U99.3 U100.2 U101.3 U101.4 U101.9 U102.2 U103.3 U103.4 U103.9 U104.3 U105.3 U106.1 U106.9 U107.3 U108.8 U109.4 U109.9 U110.3 U111.3 U112.2 U113.4 U114.4 U115.57 U117.3 U117.4 U118.5 U119.5 U120.5 U121.6 U121.7 U121.10 U121.15 U121.18 U121.21 U121.29 U121.32 U121.65 U122.5 U123.2 U123.5 U124.2 U124.5 U126.5 U127.3 U127.4 U128.11 U129.5 U130.5 U131.6 U131.7 U131.10 U131.15 U131.18 U131.21 U131.29 U131.32 U131.65 U132.2 U132.5 U133.2 U133.4 U134.2 U134.4 U135.5 U136.2 U136.4 U137.2 U137.4 U138.2 U138.4 U139.2 U139.4 U140.4 U140.9 U141.4 U141.9 U142.4 U142.9 U143.4 U143.9 U144.4 U144.PAD U145.2 U146.2 U147.4 U147.9 U148.2 U148.4 U149.2 U149.4 U150.3 U151.3 U152.4 U152.5 U152.10 U153.2 U154.2 U155.3 U156.3 U157.3 U158.3 U159.3 U160.3 U161.3 U162.3 U163.3 U163.4 U163.6 X1.2 X1.4 X2.2 X2.4 XO3.2 XO4.4
